# Allegro board 038NC-GRIFFI-V9A_16.brd (continued)
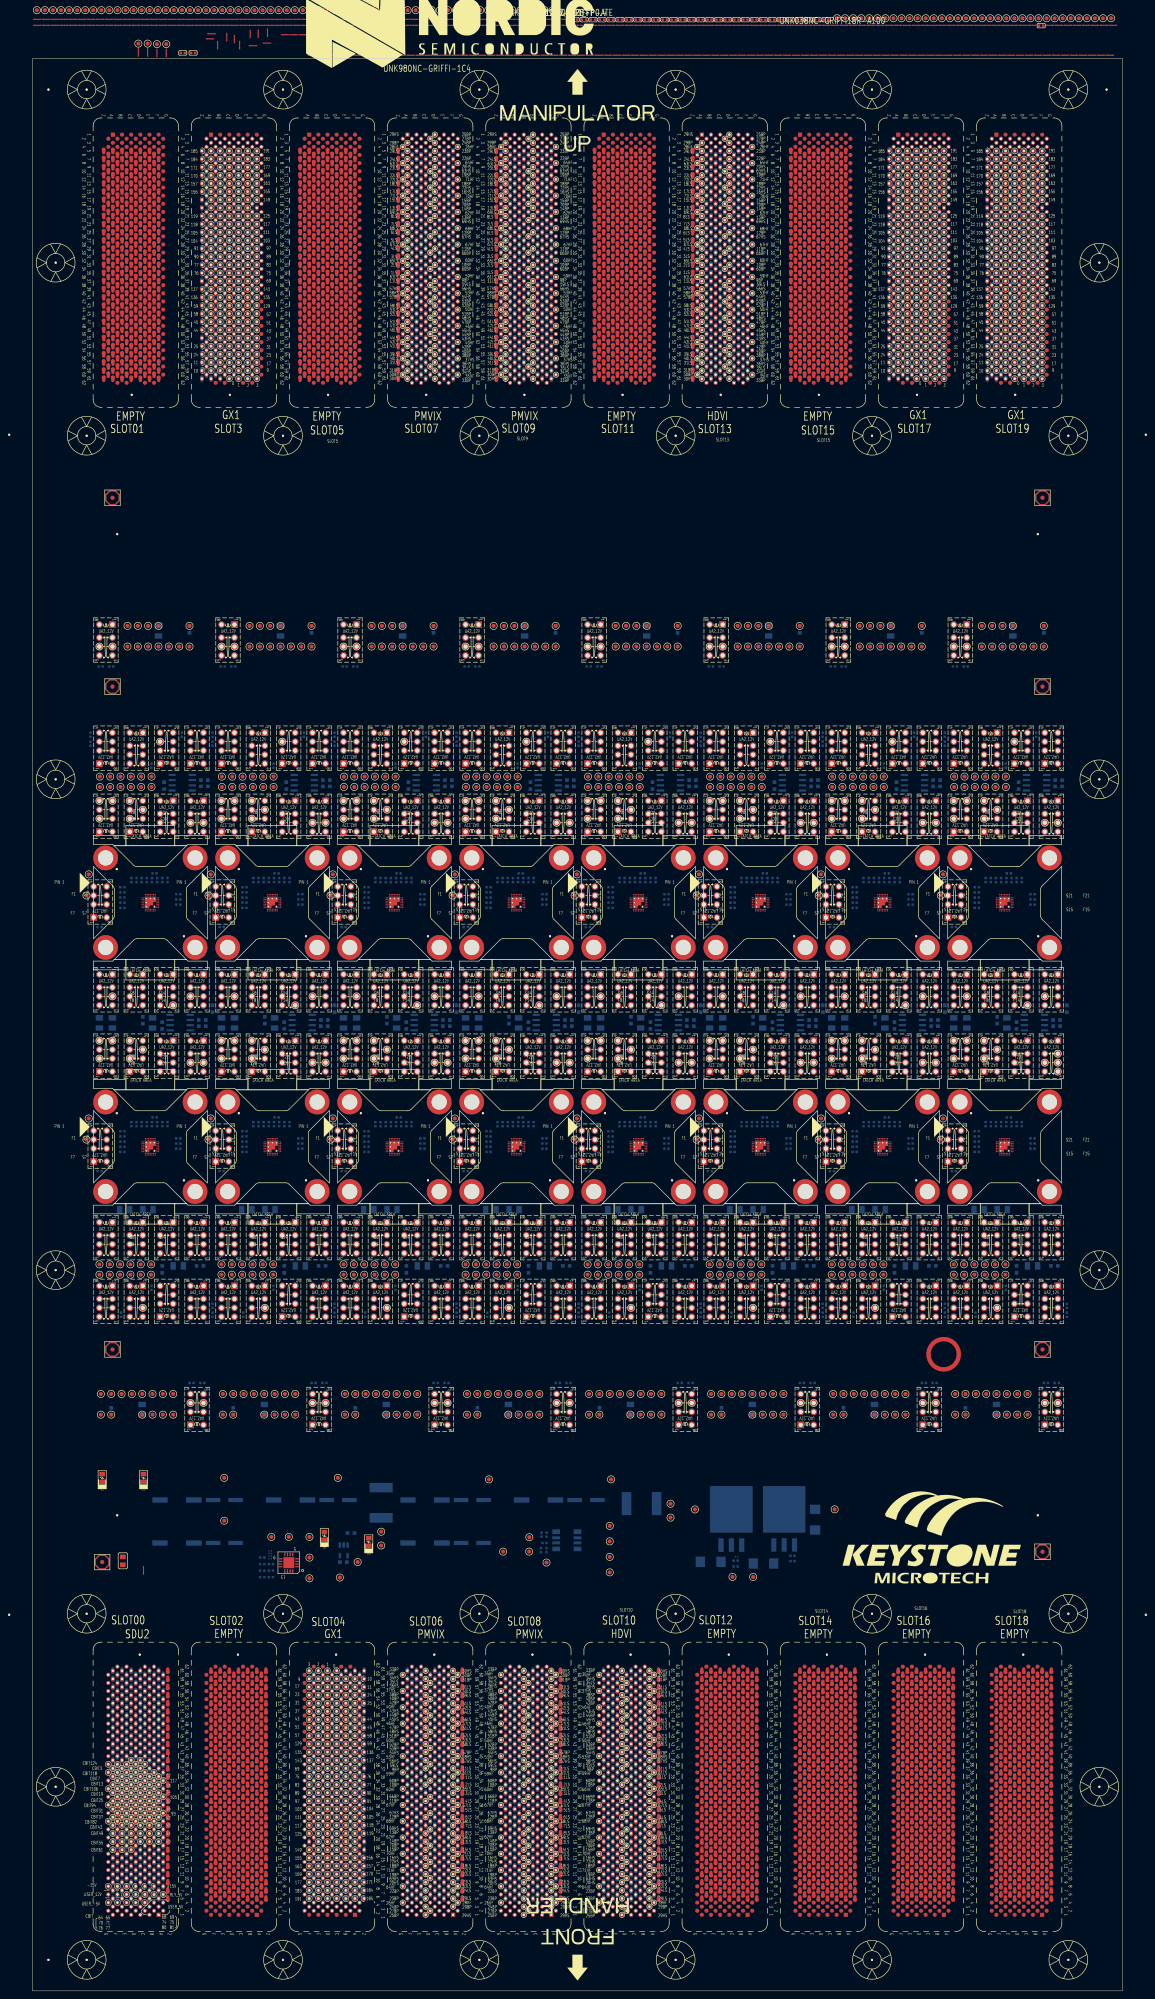
[diagram p0: board, top side]
## Placement (name value [footprint] x y rotation side) (continued)
NOREF#434  -  []  218.66 177.76 90 top
NOREF#435  -  []  72.06 185.73 90 top
NOREF#436  -  []  169.67 244.47 90 top
NOREF#437  -  []  88.65 206.87 45 top
NOREF#438  -  []  91.4 301.68 90 top
NOREF#439  -  []  85.97 179.68 90 top
NOREF#440  -  []  237.41 138.32 0 top
NOREF#441  -  []  79.67 244.47 90 top
NOREF#442  -  []  38.51 105.11 0 top
NOREF#443  -  []  94.59 244.47 90 top
NOREF#444  -  []  213.61 203.06 0 top
NOREF#445  -  []  93.41 189.73 0 top
NOREF#446  -  []  102.06 244.47 90 top
NOREF#447  -  []  239.32 268.11 315 top
NOREF#448  -  []  49.67 246.67 90 top
NOREF#449  -  []  229.67 183.53 90 top
NOREF#450  -  []  117.79 269.51 0 top
NOREF#451  -  []  136.47 304.88 90 top
NOREF#452  -  []  113.93 249.87 0 top
NOREF#453  -  []  26.39 82.65 0 top
NOREF#454  -  []  121.39 171.1 90 top
NOREF#455  -  []  162.06 185.73 90 top
NOREF#456  -  []  112.99 188.49 90 top
NOREF#457  -  []  118.35 207.84 45 top
NOREF#458  -  []  75.06 263.86 0 top
NOREF#459  -  []  53.38 225.18 90 top
NOREF#460  -  []  198.36 224.33 90 top
NOREF#461  -  []  37.46 251.52 0 top
NOREF#462  -  []  252.06 242.27 90 top
NOREF#463  -  []  226.47 249.87 0 top
NOREF#464  -  []  109.67 330.46 90 top
NOREF#465  -  []  169.67 181.33 90 top
NOREF#466  -  []  57.36 208.69 0 top
NOREF#467  -  []  52.99 226.49 0 top
NOREF#468  -  []  72.06 287.14 90 top
NOREF#469  -  []  194.98 223.99 0 top
NOREF#470  -  []  91.4 307.08 90 top
NOREF#471  -  []  27.13 244.47 90 top
NOREF#472  -  []  73.01 240.57 90 top
NOREF#473  -  []  108.36 179.68 90 top
NOREF#474  -  []  166.47 301.68 90 top
NOREF#475  -  []  117.13 183.53 90 top
NOREF#476  -  []  237.78 209.51 0 top
NOREF#477  -  []  22.53 251.52 0 top
NOREF#478  -  []  106.47 225.98 90 top
NOREF#479  -  []  106.47 225.98 0 top
NOREF#480  -  []  237.13 167.9 90 top
NOREF#481  -  []  60.19 205.47 90 top
NOREF#482  -  []  53.93 225.98 90 top
NOREF#483  -  []  243.41 234.38 0 top
NOREF#484  -  []  241.39 249.87 0 top
NOREF#485  -  []  237.13 183.53 90 top
NOREF#486  -  []  240.18 205.47 90 top
NOREF#487  -  []  33.61 203.06 0 top
NOREF#488  -  []  218.86 304.88 90 top
NOREF#489  -  []  97.24 199.24 90 top
NOREF#490  -  []  209.32 268.11 315 top
NOREF#491  -  []  218.39 253.49 45 top
NOREF#492  -  []  58.35 207.84 45 top
NOREF#493  -  []  211.01 266.29 90 top
NOREF#494  -  []  77.21 143.34 90 top
NOREF#495  -  []  121.91 17.2 90 top
NOREF#496  -  []  11.02 189.73 0 top
NOREF#497  -  []  113.93 284.94 0 top
NOREF#498  -  []  57.64 268.84 0 top
NOREF#499  -  []  50.74 275.74 0 top
NOREF#500  -  []  26.56 224.33 90 top
NOREF#501  -  []  211.39 292.54 0 top
NOREF#502  -  []  57.13 303.88 90 top
NOREF#503  -  []  178.44 389.27 90 top
NOREF#504  -  []  91.01 266.29 90 top
NOREF#505  -  []  164.56 456.29 0 top
NOREF#506  -  []  123.61 203.06 0 top
NOREF#507  -  []  109.67 170.1 90 top
NOREF#508  -  []  240.84 300.88 90 top
NOREF#509  -  []  71.82 117.35 0 top
NOREF#510  -  []  131.02 189.73 0 top
NOREF#511  -  []  64.59 287.14 90 top
NOREF#512  -  []  130.49 14.59 90 top
NOREF#513  -  []  173.93 290.34 90 top
NOREF#514  -  []  37.24 199.24 90 top
NOREF#515  -  []  199.67 183.53 90 top
NOREF#516  -  []  229.67 167.9 90 top
NOREF#517  -  []  128.86 304.88 90 top
NOREF#518  -  []  146.96 268.69 0 top
NOREF#519  -  []  63.41 189.73 0 top
NOREF#520  -  []  121.39 301.68 90 top
NOREF#521  -  []  26.96 268.69 0 top
NOREF#522  -  []  42.48 225.18 0 top
NOREF#523  -  []  28.53 300.03 90 top
NOREF#524  -  []  104.99 281.49 90 top
NOREF#525  -  []  28.65 206.87 45 top
NOREF#526  -  []  208.35 267.84 45 top
NOREF#527  -  []  207.13 167.9 90 top
NOREF#528  -  []  15.06 203.86 0 top
NOREF#529  -  []  222.06 185.73 90 top
NOREF#530  -  []  105.92 300.88 90 top
NOREF#531  -  []  169.67 332.66 90 top
NOREF#532  -  []  166.47 284.94 0 top
NOREF#533  -  []  44.51 263.06 90 top
NOREF#534  -  []  127.23 199.24 90 top
NOREF#535  -  []  167.98 278.49 0 top
NOREF#536  -  []  177.13 303.88 90 top
NOREF#537  -  []  168.36 179.68 90 top
NOREF#538  -  []  154.64 389.27 90 top
NOREF#539  -  []  14.93 458.49 0 top
NOREF#540  -  []  132.06 228.18 90 top
NOREF#541  -  []  128.73 111.38 90 top
NOREF#542  -  []  153.61 203.06 0 top
NOREF#543  -  []  195.92 300.88 90 top
NOREF#544  -  []  177.17 105.04 0 top
NOREF#545  -  []  76.47 335.86 0 top
NOREF#546  -  []  68.31 300.88 90 top
NOREF#547  -  []  83.93 288.14 90 top
NOREF#548  -  []  44.51 203.06 90 top
NOREF#549  -  []  105.36 120.65 0 top
NOREF#550  -  []  14.91 16.49 0 top
NOREF#551  -  []  143.93 231.38 90 top
NOREF#552  -  []  137.98 196.49 90 top
NOREF#553  -  []  38.86 142.32 90 top
NOREF#554  -  []  87.36 268.69 0 top
NOREF#555  -  []  74.65 82.65 0 top
NOREF#556  -  []  240.33 206.14 90 top
NOREF#557  -  []  75.06 209.26 90 top
NOREF#558  -  []  31.4 301.68 0 top
NOREF#559  -  []  248.86 188.93 0 top
NOREF#560  -  []  247.23 259.24 90 top
NOREF#561  -  []  61.01 206.29 90 top
NOREF#562  -  []  40.9 224.33 90 top
NOREF#563  -  []  46.47 231.38 90 top
NOREF#564  -  []  237.13 246.67 90 top
NOREF#565  -  []  178.35 207.84 315 top
NOREF#566  -  []  19.78 396.29 0 top
NOREF#567  -  []  252.06 165.7 90 top
NOREF#568  -  []  225.92 225.18 90 top
NOREF#569  -  []  143.38 225.18 90 top
NOREF#570  -  []  90.65 236.45 90 top
NOREF#571  -  []  142.98 188.49 0 top
NOREF#572  -  []  140.43 456.29 0 top
NOREF#573  -  []  45.06 203.86 90 top
NOREF#574  -  []  64.59 284.94 90 top
NOREF#575  -  []  74.51 263.06 90 top
NOREF#576  -  []  165.06 209.26 90 top
NOREF#577  -  []  164.98 221.49 90 top
NOREF#578  -  []  100.9 239.1 90 top
NOREF#579  -  []  124.59 287.14 90 top
NOREF#580  -  []  207.13 244.47 90 top
NOREF#581  -  []  46.47 284.94 0 top
NOREF#582  -  []  150.84 164.9 90 top
NOREF#583  -  []  106.47 301.68 90 top
NOREF#584  -  []  30.65 236.45 90 top
NOREF#585  -  []  87.13 303.88 90 top
NOREF#586  -  []  76.47 307.08 90 top
NOREF#587  -  []  149.39 209.51 0 top
NOREF#588  -  []  185.02 284.14 0 top
NOREF#589  -  []  104.51 263.06 90 top
NOREF#590  -  []  78.36 179.68 90 top
NOREF#591  -  []  102.06 170.1 90 top
NOREF#592  -  []  30.19 265.86 90 top
NOREF#593  -  []  28.35 267.84 45 top
NOREF#594  -  []  187.23 199.24 90 top
NOREF#595  -  []  203.93 290.34 90 top
NOREF#596  -  []  199.67 328.26 90 top
NOREF#597  -  []  211.39 165.7 90 top
NOREF#598  -  []  93.43 179.68 90 top
NOREF#599  -  []  115.94 234.38 0 top
NOREF#600  -  []  33.43 179.68 90 top
NOREF#601  -  []  94.59 181.33 90 top
NOREF#602  -  []  238.35 207.84 315 top
NOREF#603  -  []  244.59 246.67 90 top
NOREF#604  -  []  71.02 336.66 0 top
NOREF#605  -  []  14.99 193.49 90 top
NOREF#606  -  []  132.06 284.94 90 top
NOREF#607  -  []  198.48 189.73 0 top
NOREF#608  -  []  34.6 185.73 90 top
NOREF#609  -  []  238.35 207.84 45 top
NOREF#610  -  []  250.89 283.29 90 top
NOREF#611  -  []  27.13 170.1 90 top
NOREF#612  -  []  250.89 179.68 90 top
NOREF#613  -  []  181.39 301.68 0 top
NOREF#614  -  []  53.93 225.98 0 top
NOREF#615  -  []  18.48 189.73 0 top
NOREF#616  -  []  44.99 221.49 90 top
NOREF#617  -  []  45.92 284.14 90 top
NOREF#618  -  []  87.64 268.84 0 top
NOREF#619  -  []  25.95 234.38 0 top
NOREF#620  -  []  173.93 309.28 0 top
NOREF#621  -  []  165.06 203.86 90 top
NOREF#622  -  []  17.99 218.49 0 top
NOREF#623  -  []  92.17 456.29 0 top
NOREF#624  -  []  90.34 266.14 90 top
NOREF#625  -  []  36 240.62 90 top
NOREF#626  -  []  230.48 210.77 0 top
NOREF#627  -  []  122.16 115.65 0 top
NOREF#628  -  []  177.13 242.27 90 top
NOREF#629  -  []  79.29 454.29 90 top
NOREF#630  -  []  207.13 301.68 90 top
NOREF#631  -  []  106.47 304.88 90 top
NOREF#632  -  []  183.43 164.05 90 top
NOREF#633  -  []  169.67 183.53 90 top
NOREF#634  -  []  196.47 335.86 0 top
NOREF#635  -  []  87.13 246.67 90 top
NOREF#636  -  []  82.99 248.49 90 top
NOREF#637  -  []  117.13 167.9 90 top
NOREF#638  -  []  116.29 18.69 0 top
NOREF#639  -  []  101.02 250.67 0 top
NOREF#640  -  []  113.93 284.94 90 top
NOREF#641  -  []  139.94 300.88 0 top
NOREF#642  -  []  139.67 330.46 90 top
NOREF#643  -  []  127.55 454.29 90 top
NOREF#644  -  []  61.4 307.08 90 top
NOREF#645  -  []  151.39 233.58 0 top
NOREF#646  -  []  46.47 173.3 0 top
NOREF#647  -  []  187.55 203.78 0 top
NOREF#648  -  []  124.59 181.33 90 top
NOREF#649  -  []  31.4 307.08 90 top
NOREF#650  -  []  177.63 208.84 0 top
NOREF#651  -  []  92.16 18.69 0 top
NOREF#652  -  []  190.89 237.58 90 top
NOREF#653  -  []  137.98 256.49 90 top
NOREF#654  -  []  140.74 215.74 0 top
NOREF#655  -  []  177.13 185.73 90 top
NOREF#656  -  []  136.47 288.14 90 top
NOREF#657  -  []  72.06 225.98 90 top
NOREF#658  -  []  233.93 173.3 0 top
NOREF#659  -  []  177.13 165.7 90 top
NOREF#660  -  []  196.47 304.88 90 top
NOREF#661  -  []  233.93 188.93 0 top
NOREF#662  -  []  161.4 298.06 90 top
NOREF#663  -  []  16.47 301.68 0 top
NOREF#664  -  []  233.93 225.98 0 top
NOREF#665  -  []  173.93 188.93 0 top
NOREF#666  -  []  251.4 298.06 90 top
NOREF#667  -  []  151.39 304.88 90 top
NOREF#668  -  []  61.01 206.69 90 top
NOREF#669  -  []  41.02 174.1 0 top
NOREF#670  -  []  91.4 171.1 90 top
NOREF#671  -  []  123.41 293.34 0 top
NOREF#672  -  []  235.97 179.68 90 top
NOREF#673  -  []  198.36 179.68 90 top
NOREF#674  -  []  83.38 225.18 90 top
NOREF#675  -  []  175.94 293.34 0 top
NOREF#676  -  []  125.3 456.29 0 top
NOREF#677  -  []  207.97 458.49 0 top
NOREF#678  -  []  244.59 225.98 90 top
NOREF#679  -  []  37.46 300.03 90 top
NOREF#680  -  []  134.51 263.06 90 top
NOREF#681  -  []  91.4 292.54 0 top
NOREF#682  -  []  102.06 185.73 90 top
NOREF#683  -  []  252.06 170.1 90 top
NOREF#684  -  []  30.51 105.11 90 top
NOREF#685  -  []  148.37 207.15 315 top
NOREF#686  -  []  56.96 268.69 0 top
NOREF#687  -  []  207.95 83.81 0 top
NOREF#688  -  []  42.06 181.33 90 top
NOREF#689  -  []  102.06 165.7 90 top
NOREF#690  -  []  175.8 18.69 90 top
NOREF#691  -  []  149.39 269.51 0 top
NOREF#692  -  []  49.67 165.7 90 top
NOREF#693  -  []  139.67 242.27 90 top
NOREF#694  -  []  41.4 297.17 90 top
NOREF#695  -  []  113.93 225.98 90 top
NOREF#696  -  []  132.06 181.33 90 top
NOREF#697  -  []  153.43 300.03 90 top
NOREF#698  -  []  31.01 266.29 90 top
NOREF#699  -  []  188.86 307.08 90 top
NOREF#700  -  []  19.67 170.1 90 top
NOREF#701  -  []  61.4 188.93 0 top
NOREF#702  -  []  128.86 307.08 90 top
NOREF#703  -  []  68.39 193.49 45 top
NOREF#704  -  []  138.36 179.68 90 top
NOREF#705  -  []  59.39 269.51 0 top
NOREF#706  -  []  143.93 173.3 0 top
NOREF#707  -  []  55.95 250.67 0 top
NOREF#708  -  []  132.06 230.38 90 top
NOREF#709  -  []  115.7 258.99 90 top
NOREF#710  -  []  58.12 106.87 0 top
NOREF#711  -  []  163.42 19.69 90 top
NOREF#712  -  []  115.97 240.62 90 top
NOREF#713  -  []  92.17 456.29 90 top
NOREF#714  -  []  169.67 165.7 90 top
NOREF#715  -  []  38.39 193.49 45 top
NOREF#716  -  []  130.89 283.29 90 top
NOREF#717  -  []  179.38 269.51 0 top
NOREF#718  -  []  210.33 266.14 90 top
NOREF#719  -  []  214.59 181.33 90 top
NOREF#720  -  []  136.47 249.87 0 top
NOREF#721  -  []  222.06 228.18 90 top
NOREF#722  -  []  211.01 206.29 90 top
NOREF#723  -  []  82.99 188.49 90 top
NOREF#724  -  []  169.67 328.26 90 top
NOREF#725  -  []  160.89 283.29 90 top
NOREF#726  -  []  188.86 304.88 90 top
NOREF#727  -  []  192.06 230.38 90 top
NOREF#728  -  []  88.35 267.84 315 top
NOREF#729  -  []  113.38 225.18 90 top
NOREF#730  -  []  90.18 265.86 90 top
NOREF#731  -  []  117.13 301.68 90 top
NOREF#732  -  []  52.99 188.49 90 top
NOREF#733  -  []  61.4 165.7 0 top
NOREF#734  -  []  127.53 113.67 0 top
NOREF#735  -  []  214.59 289.34 90 top
NOREF#736  -  []  212.82 456.29 0 top
NOREF#737  -  []  44.99 283.99 0 top
NOREF#738  -  []  135.92 300.88 90 top
NOREF#739  -  []  68.86 307.08 90 top
NOREF#740  -  []  76.47 290.34 90 top
NOREF#741  -  []  166.47 284.94 90 top
NOREF#742  -  []  53.93 288.14 90 top
NOREF#743  -  []  190.89 179.68 90 top
NOREF#744  -  []  207.13 306.08 90 top
NOREF#745  -  []  108.48 250.67 0 top
NOREF#746  -  []  241.01 266.29 90 top
NOREF#747  -  []  214.59 228.18 90 top
NOREF#748  -  []  130.9 237.58 90 top
NOREF#749  -  []  178.37 207.15 315 top
NOREF#750  -  []  194.3 17.15 0 top
NOREF#751  -  []  247.55 203.78 0 top
NOREF#752  -  []  118.35 267.84 315 top
NOREF#753  -  []  205.88 237.76 90 top
NOREF#754  -  []  229.67 170.1 90 top
NOREF#755  -  []  19.67 328.26 90 top
NOREF#756  -  []  236.95 456.29 0 top
NOREF#757  -  []  58.37 207.15 315 top
NOREF#758  -  []  180.18 265.86 90 top
NOREF#759  -  []  15.06 207.06 90 top
NOREF#760  -  []  123.61 263.06 0 top
NOREF#761  -  []  196.47 188.93 0 top
NOREF#762  -  []  203.38 284.14 90 top
NOREF#763  -  []  143.93 284.94 90 top
NOREF#764  -  []  102.06 228.18 90 top
NOREF#765  -  []  72.06 246.67 90 top
NOREF#766  -  []  113.93 229.18 90 top
NOREF#767  -  []  136.47 301.68 0 top
NOREF#768  -  []  192.06 244.47 90 top
NOREF#769  -  []  57.13 185.73 90 top
NOREF#770  -  []  72.06 165.7 90 top
NOREF#771  -  []  158.39 193.49 45 top
NOREF#772  -  []  173.93 231.38 90 top
NOREF#773  -  []  22.53 283.29 90 top
NOREF#774  -  []  143.93 249.87 0 top
NOREF#775  -  []  183.43 240.62 90 top
NOREF#776  -  []  240.67 176.51 90 top
NOREF#777  -  []  158.66 177.76 90 top
NOREF#778  -  []  63.43 164.05 90 top
NOREF#779  -  []  26.31 127.85 0 top
NOREF#780  -  []  20.74 215.74 0 top
NOREF#781  -  []  90.18 265.47 90 top
NOREF#782  -  []  225.06 263.86 90 top
NOREF#783  -  []  118.35 207.84 315 top
NOREF#784  -  []  55.97 240.62 90 top
NOREF#785  -  []  28.37 267.15 315 top
NOREF#786  -  []  98.86 233.58 0 top
NOREF#787  -  []  243.56 82.65 0 top
NOREF#788  -  []  166.47 231.38 90 top
NOREF#789  -  []  88.35 267.84 45 top
NOREF#790  -  []  139.67 183.53 90 top
NOREF#791  -  []  151.67 18.69 90 top
NOREF#792  -  []  155.02 284.14 0 top
NOREF#793  -  []  132.06 183.53 90 top
NOREF#794  -  []  237.63 208.84 0 top
NOREF#795  -  []  203.93 173.3 0 top
NOREF#796  -  []  166.47 225.98 0 top
NOREF#797  -  []  16.47 335.86 0 top
NOREF#798  -  []  25.39 17.15 90 top
NOREF#799  -  []  105.06 203.86 0 top
NOREF#800  -  []  140.43 396.29 0 top
NOREF#801  -  []  90.67 176.51 90 top
NOREF#802  -  []  14.99 190.99 90 top
NOREF#803  -  []  214.59 242.27 90 top
NOREF#804  -  []  210.84 164.9 90 top
NOREF#805  -  []  106.47 284.94 0 top
NOREF#806  -  []  116.96 268.69 0 top
NOREF#807  -  []  19.78 456.29 90 top
NOREF#808  -  []  16.47 284.94 90 top
NOREF#809  -  []  164.98 281.49 90 top
NOREF#810  -  []  74.99 253.49 90 top
NOREF#811  -  []  96.8 392.33 90 top
NOREF#812  -  []  79.67 328.26 90 top
NOREF#813  -  []  49.95 164.9 0 top
NOREF#814  -  []  173.56 456.29 0 top
NOREF#815  -  []  138.36 164.05 90 top
NOREF#816  -  []  98.86 301.68 90 top
NOREF#817  -  []  199.67 244.47 90 top
NOREF#818  -  []  101.4 298.06 90 top
NOREF#819  -  []  162.06 170.1 90 top
NOREF#820  -  []  134.98 221.49 90 top
NOREF#821  -  []  59.02 107.84 90 top
NOREF#822  -  []  184.59 246.67 90 top
NOREF#823  -  []  213.43 240.62 90 top
NOREF#824  -  []  26.68 239.46 0 top
NOREF#825  -  []  162.48 284.14 0 top
NOREF#826  -  []  188.86 188.93 0 top
NOREF#827  -  []  244.59 242.27 90 top
NOREF#828  -  []  29.15 164.9 0 top
NOREF#829  -  []  237.13 242.27 90 top
NOREF#830  -  []  61.16 295.41 90 top
NOREF#831  -  []  151.01 206.69 90 top
NOREF#832  -  []  168.48 250.67 0 top
NOREF#833  -  []  198.48 174.1 0 top
NOREF#834  -  []  74.99 193.49 90 top
NOREF#835  -  []  222.06 183.53 90 top
NOREF#836  -  []  72.06 289.34 90 top
NOREF#837  -  []  49.95 300.88 0 top
NOREF#838  -  []  120.93 392.33 90 top
NOREF#839  -  []  58.45 115.65 90 top
NOREF#840  -  []  153.41 234.38 0 top
NOREF#841  -  []  217.23 199.24 90 top
NOREF#842  -  []  247.23 199.24 90 top
NOREF#843  -  []  165.06 263.86 90 top
NOREF#844  -  []  188.86 139.12 0 top
NOREF#845  -  []  243.43 300.03 90 top
NOREF#846  -  []  98.78 82.65 0 top
NOREF#847  -  []  196.47 225.98 90 top
NOREF#848  -  []  72.48 225.18 0 top
NOREF#849  -  []  22.99 188.49 90 top
NOREF#850  -  []  181.39 171.1 90 top
NOREF#851  -  []  23.93 188.93 0 top
NOREF#852  -  []  13.66 262.21 90 top
NOREF#853  -  []  135.06 203.86 0 top
NOREF#854  -  []  72.06 242.27 90 top
NOREF#855  -  []  133.3 120.65 0 top
NOREF#856  -  []  27.13 303.88 90 top
NOREF#857  -  []  238.35 267.84 315 top
NOREF#858  -  []  176.96 208.69 0 top
NOREF#859  -  []  79.67 165.7 90 top
NOREF#860  -  []  46.47 249.87 0 top
NOREF#861  -  []  134.98 253.49 90 top
NOREF#862  -  []  117.13 244.47 90 top
NOREF#863  -  []  64.59 225.98 90 top
NOREF#864  -  []  81.92 389.27 90 top
NOREF#865  -  []  190.89 224.33 90 top
NOREF#866  -  []  159.69 83.81 0 top
NOREF#867  -  []  102.06 284.94 90 top
NOREF#868  -  []  88.35 207.84 315 top
NOREF#869  -  []  11.63 164.05 90 top
NOREF#870  -  []  27.64 208.84 0 top
NOREF#871  -  []  181.39 165.7 0 top
NOREF#872  -  []  188.31 300.88 90 top
NOREF#873  -  []  125.02 225.18 0 top
NOREF#874  -  []  225.06 203.86 90 top
NOREF#875  -  []  74.99 281.49 90 top
NOREF#876  -  []  247.55 263.78 0 top
NOREF#877  -  []  224.51 203.06 90 top
NOREF#878  -  []  222.06 242.27 90 top
NOREF#879  -  []  161.02 174.1 0 top
NOREF#880  -  []  90.18 205.47 90 top
NOREF#881  -  []  176.71 103.44 90 top
NOREF#882  -  []  28.35 267.84 315 top
NOREF#883  -  []  81.53 76.69 90 top
NOREF#884  -  []  202.98 248.49 0 top
NOREF#885  -  []  188.69 456.29 0 top
NOREF#886  -  []  202.88 14.59 90 top
NOREF#887  -  []  39.06 458.49 0 top
NOREF#888  -  []  196.47 229.18 90 top
NOREF#889  -  []  79.28 18.69 0 top
NOREF#890  -  []  185.02 300.88 0 top
NOREF#891  -  []  105.06 269.26 90 top
NOREF#892  -  []  85.94 189.73 0 top
NOREF#893  -  []  202.98 188.49 0 top
NOREF#894  -  []  103.41 18.69 90 top
NOREF#895  -  []  248.19 18.69 90 top
NOREF#896  -  []  136.47 225.98 0 top
NOREF#897  -  []  30.67 176.51 90 top
NOREF#898  -  []  72.06 183.53 90 top
NOREF#899  -  []  184.59 244.47 90 top
NOREF#900  -  []  79.67 181.33 90 top
NOREF#901  -  []  154.59 225.98 90 top
NOREF#902  -  []  31.01 206.69 90 top
NOREF#903  -  []  151.39 165.7 0 top
NOREF#904  -  []  53.93 249.87 0 top
NOREF#905  -  []  98.86 292.54 0 top
NOREF#906  -  []  76.47 284.94 0 top
NOREF#907  -  []  252.06 287.14 90 top
NOREF#908  -  []  90.84 300.88 90 top
NOREF#909  -  []  107.99 218.49 0 top
NOREF#910  -  []  181.39 307.08 90 top
NOREF#911  -  []  136.47 335.86 0 top
NOREF#912  -  []  119.32 268.11 315 top
NOREF#913  -  []  224.98 281.49 90 top
NOREF#914  -  []  128.86 301.68 0 top
NOREF#915  -  []  72.06 170.1 90 top
NOREF#916  -  []  136.47 290.34 90 top
NOREF#917  -  []  134.98 250.99 90 top
NOREF#918  -  []  188.86 301.68 90 top
NOREF#919  -  []  58.37 267.15 315 top
NOREF#920  -  []  34.6 287.14 90 top
NOREF#921  -  []  121.01 206.69 90 top
NOREF#922  -  []  87.79 209.51 0 top
NOREF#923  -  []  91.4 304.88 90 top
NOREF#924  -  []  151.39 188.93 0 top
NOREF#925  -  []  227.98 256.49 90 top
NOREF#926  -  []  168.36 224.33 90 top
NOREF#927  -  []  64.59 181.33 90 top
NOREF#928  -  []  149.32 208.11 315 top
NOREF#929  -  []  218.86 301.68 0 top
NOREF#930  -  []  218.86 144.52 90 top
NOREF#931  -  []  119.29 207.51 45 top
NOREF#932  -  []  135.06 263.86 0 top
NOREF#933  -  []  237.41 300.88 0 top
NOREF#934  -  []  139.94 164.9 0 top
NOREF#935  -  []  232.98 248.49 0 top
NOREF#936  -  []  173.93 225.98 90 top
NOREF#937  -  []  47.99 218.49 0 top
NOREF#938  -  []  28.35 207.84 315 top
NOREF#939  -  []  68.04 456.29 0 top
NOREF#940  -  []  91.4 249.87 0 top
NOREF#941  -  []  241.39 233.58 0 top
NOREF#942  -  []  88.37 267.15 315 top
NOREF#943  -  []  90.84 164.9 90 top
NOREF#944  -  []  102.48 225.18 0 top
NOREF#945  -  []  153.41 174.1 0 top
NOREF#946  -  []  120.26 120.65 0 top
NOREF#947  -  []  218.39 193.49 45 top
NOREF#948  -  []  70.89 283.29 90 top
NOREF#949  -  []  93.43 300.03 90 top
NOREF#950  -  []  217.36 333.84 90 top
NOREF#951  -  []  37.55 203.78 0 top
NOREF#952  -  []  26.96 208.69 0 top
NOREF#953  -  []  198.36 283.29 90 top
NOREF#954  -  []  49.67 328.26 90 top
NOREF#955  -  []  151.39 307.08 90 top
NOREF#956  -  []  137.98 218.49 0 top
NOREF#957  -  []  147.13 167.9 90 top
NOREF#958  -  []  74.99 223.99 0 top
NOREF#959  -  []  61.2 115.65 0 top
NOREF#960  -  []  57.64 208.84 0 top
NOREF#961  -  []  20.61 142.44 90 top
NOREF#962  -  []  169.67 167.9 90 top
NOREF#963  -  []  98.31 300.88 90 top
NOREF#964  -  []  181.39 188.93 0 top
NOREF#965  -  []  117.79 209.51 0 top
NOREF#966  -  []  226.47 173.3 0 top
NOREF#967  -  []  241.39 188.93 0 top
NOREF#968  -  []  19.67 246.67 90 top
NOREF#969  -  []  123.41 189.73 0 top
NOREF#970  -  []  177.41 300.88 0 top
NOREF#971  -  []  199.67 181.33 90 top
NOREF#972  -  []  119.41 115.65 90 top
NOREF#973  -  []  238.37 267.15 315 top
NOREF#974  -  []  237.13 306.08 90 top
NOREF#975  -  []  87.3 16.49 0 top
NOREF#976  -  []  171.17 82.65 0 top
NOREF#977  -  []  87.36 208.69 0 top
NOREF#978  -  []  117.64 268.84 0 top
NOREF#979  -  []  138.48 310.08 0 top
NOREF#980  -  []  207.78 209.51 0 top
NOREF#981  -  []  19.67 332.66 90 top
NOREF#982  -  []  205.97 164.05 90 top
NOREF#983  -  []  181.39 168.9 90 top
NOREF#984  -  []  75.06 203.86 90 top
NOREF#985  -  []  175.94 189.73 0 top
NOREF#986  -  []  121.39 165.7 0 top
NOREF#987  -  []  232.1 458.49 0 top
NOREF#988  -  []  94.59 185.73 90 top
NOREF#989  -  []  240.33 266.14 90 top
NOREF#990  -  []  136.47 173.3 0 top
NOREF#991  -  []  160.9 237.58 90 top
NOREF#992  -  []  153.43 164.05 90 top
NOREF#993  -  []  76.47 301.68 90 top
NOREF#994  -  []  214.59 230.38 90 top
NOREF#995  -  []  137.98 278.49 0 top
NOREF#996  -  []  83.93 225.98 90 top
NOREF#997  -  []  46.47 301.68 90 top
NOREF#998  -  []  132.78 117.35 0 top
NOREF#999  -  []  253.01 240.57 90 top
NOREF#1000  -  []  16.15 127.85 0 top
NOREF#1001  -  []  194.51 203.06 90 top
NOREF#1002  -  []  180.84 164.9 90 top
NOREF#1003  -  []  198.36 164.05 90 top
NOREF#1004  -  []  98.31 138.32 90 top
NOREF#1005  -  []  57.13 306.08 90 top
NOREF#1006  -  []  207.63 208.84 0 top
NOREF#1007  -  []  132.06 167.9 90 top
NOREF#1008  -  []  68.86 173.3 0 top
NOREF#1009  -  []  225.06 207.06 90 top
NOREF#1010  -  []  82.99 248.49 0 top
NOREF#1011  -  []  94.59 287.14 90 top
NOREF#1012  -  []  157.23 259.24 90 top
NOREF#1013  -  []  124.59 225.98 90 top
NOREF#1014  -  []  212.82 456.29 90 top
NOREF#1015  -  []  148.35 207.84 315 top
NOREF#1016  -  []  142.98 248.49 0 top
NOREF#1017  -  []  202.98 248.49 90 top
NOREF#1018  -  []  135.06 267.06 90 top
NOREF#1019  -  []  162.06 165.7 90 top
NOREF#1020  -  []  207.13 183.53 90 top
NOREF#1021  -  []  192.06 167.9 90 top
NOREF#1022  -  []  213.43 179.68 90 top
NOREF#1023  -  []  30 300.03 90 top
NOREF#1024  -  []  164.56 456.29 90 top
NOREF#1025  -  []  53.38 284.14 90 top
NOREF#1026  -  []  24.41 392.33 90 top
NOREF#1027  -  []  121.39 233.58 0 top
NOREF#1028  -  []  94.22 105.11 0 top
NOREF#1029  -  []  27.13 242.27 90 top
NOREF#1030  -  []  225.06 203.86 0 top
NOREF#1031  -  []  60.84 164.9 90 top
NOREF#1032  -  []  94.59 246.67 90 top
NOREF#1033  -  []  48.48 189.73 0 top
NOREF#1034  -  []  31.01 266.69 90 top
NOREF#1035  -  []  68.04 456.29 90 top
NOREF#1036  -  []  226.47 290.34 90 top
NOREF#1037  -  []  184.59 242.27 90 top
NOREF#1038  -  []  57.13 170.1 90 top
NOREF#1039  -  []  221.4 298.06 90 top
NOREF#1040  -  []  147.41 300.88 0 top
NOREF#1041  -  []  153.43 179.68 90 top
NOREF#1042  -  []  78.48 250.67 0 top
NOREF#1043  -  []  78.36 240.62 90 top
NOREF#1044  -  []  46.47 284.94 90 top
NOREF#1045  -  []  123.41 174.1 0 top
NOREF#1046  -  []  101.02 189.73 0 top
NOREF#1047  -  []  57.79 209.51 0 top
NOREF#1048  -  []  128.86 233.58 0 top
NOREF#1049  -  []  151.39 292.54 0 top
NOREF#1050  -  []  207.36 208.69 0 top
NOREF#1051  -  []  26.56 179.68 90 top
NOREF#1052  -  []  109.67 167.9 90 top
NOREF#1053  -  []  67.55 203.78 0 top
NOREF#1054  -  []  202.98 226.49 0 top
NOREF#1055  -  []  184.59 228.18 90 top
NOREF#1056  -  []  211.39 301.68 90 top
NOREF#1057  -  []  121.39 304.88 90 top
NOREF#1058  -  []  229.94 164.9 0 top
NOREF#1059  -  []  199.67 246.67 90 top
NOREF#1060  -  []  210.18 265.47 90 top
NOREF#1061  -  []  57.41 138.32 0 top
NOREF#1062  -  []  80.48 270.77 0 top
NOREF#1063  -  []  167.98 256.49 90 top
NOREF#1064  -  []  195.92 284.14 90 top
NOREF#1065  -  []  27.79 269.51 0 top
NOREF#1066  -  []  180.18 265.47 90 top
NOREF#1067  -  []  243.41 174.1 0 top
NOREF#1068  -  []  210.18 205.47 90 top
NOREF#1069  -  []  139.67 246.67 90 top
NOREF#1070  -  []  50.52 82.65 0 top
NOREF#1071  -  []  177.13 246.67 90 top
NOREF#1072  -  []  28.37 207.15 315 top
NOREF#1073  -  []  97.24 259.24 90 top
NOREF#1074  -  []  211.39 171.1 90 top
NOREF#1075  -  []  63.43 179.68 90 top
NOREF#1076  -  []  127.41 115.65 0 top
NOREF#1077  -  []  179.38 209.51 0 top
NOREF#1078  -  []  76.47 225.98 0 top
NOREF#1079  -  []  106.47 335.86 0 top
NOREF#1080  -  []  111.45 458.49 0 top
NOREF#1081  -  []  222.06 170.1 90 top
NOREF#1082  -  []  74.99 221.49 90 top
NOREF#1083  -  []  235.94 293.34 0 top
NOREF#1084  -  []  99.47 105.11 0 top
NOREF#1085  -  []  199.67 332.66 90 top
NOREF#1086  -  []  47.21 143.34 90 top
NOREF#1087  -  []  121.01 266.69 90 top
NOREF#1088  -  []  181.01 266.29 90 top
NOREF#1089  -  []  237.13 244.47 90 top
NOREF#1090  -  []  95.02 284.14 0 top
NOREF#1091  -  []  14.99 221.49 90 top
NOREF#1092  -  []  180.18 205.47 90 top
NOREF#1093  -  []  31.4 304.88 90 top
NOREF#1094  -  []  15.06 203.86 90 top
NOREF#1095  -  []  154.59 287.14 90 top
NOREF#1096  -  []  123.43 179.68 90 top
NOREF#1097  -  []  27.13 181.33 90 top
NOREF#1098  -  []  27.64 268.84 0 top
NOREF#1099  -  []  150.18 265.47 90 top
NOREF#1100  -  []  192.06 228.18 90 top
NOREF#1101  -  []  165.06 263.86 0 top
NOREF#1102  -  []  165.06 203.86 0 top
NOREF#1103  -  []  210.65 236.45 90 top
NOREF#1104  -  []  127.23 259.24 90 top
NOREF#1105  -  []  248.86 249.87 0 top
NOREF#1106  -  []  63.41 174.1 0 top
NOREF#1107  -  []  118.65 266.87 45 top
NOREF#1108  -  []  38.86 144.52 90 top
NOREF#1109  -  []  144.63 116.76 0 top
NOREF#1110  -  []  27.13 306.08 90 top
NOREF#1111  -  []  217.55 263.78 0 top
NOREF#1112  -  []  20.74 275.74 0 top
NOREF#1113  -  []  116.3 456.29 90 top
NOREF#1114  -  []  87.32 457.2 0 top
NOREF#1115  -  []  38.86 233.58 0 top
NOREF#1116  -  []  92.32 110.11 0 top
NOREF#1117  -  []  178.37 267.15 315 top
NOREF#1118  -  []  155.02 225.18 0 top
NOREF#1119  -  []  37.46 300.03 0 top
NOREF#1120  -  []  240.18 205.86 90 top
NOREF#1121  -  []  59.02 107.19 90 top
NOREF#1122  -  []  98.86 304.88 90 top
NOREF#1123  -  []  162.66 107.36 0 top
NOREF#1124  -  []  113.93 173.3 0 top
NOREF#1125  -  []  208.37 207.15 315 top
NOREF#1126  -  []  30.51 115.65 90 top
NOREF#1127  -  []  31.4 165.7 90 top
NOREF#1128  -  []  87.64 208.84 0 top
NOREF#1129  -  []  206.96 268.69 0 top
NOREF#1130  -  []  50.74 215.74 0 top
NOREF#1131  -  []  132.06 170.1 90 top
NOREF#1132  -  []  143.38 284.14 90 top
NOREF#1133  -  []  208.37 267.15 315 top
NOREF#1134  -  []  115.97 179.68 90 top
NOREF#1135  -  []  229.67 165.7 90 top
NOREF#1136  -  []  120.67 176.51 90 top
NOREF#1137  -  []  229.67 332.66 90 top
NOREF#1138  -  []  157.23 199.24 90 top
NOREF#1139  -  []  93.41 250.67 0 top
NOREF#1140  -  []  118.37 207.15 315 top
NOREF#1141  -  []  228.48 189.73 0 top
NOREF#1142  -  []  194.51 263.06 90 top
NOREF#1143  -  []  205.7 258.99 90 top
NOREF#1144  -  []  20.49 210.77 0 top
NOREF#1145  -  []  47.99 256.49 90 top
NOREF#1146  -  []  162.06 228.18 90 top
NOREF#1147  -  []  91.01 206.29 90 top
NOREF#1148  -  []  85.7 258.99 90 top
NOREF#1149  -  []  188.86 292.54 0 top
NOREF#1150  -  []  127.54 18.69 90 top
NOREF#1151  -  []  60.19 205.86 90 top
NOREF#1152  -  []  68.66 177.76 90 top
NOREF#1153  -  []  38.86 188.93 0 top
NOREF#1154  -  []  213.41 174.1 0 top
NOREF#1155  -  []  183.41 189.73 0 top
NOREF#1156  -  []  221.4 296.54 90 top
NOREF#1157  -  []  134.98 281.49 90 top
NOREF#1158  -  []  243.43 164.05 90 top
NOREF#1159  -  []  252.06 228.18 90 top
NOREF#1160  -  []  135.06 269.26 90 top
NOREF#1161  -  []  166.47 249.87 0 top
NOREF#1162  -  []  128.86 249.87 0 top
NOREF#1163  -  []  227.03 389.27 90 top
NOREF#1164  -  []  160.89 240.62 90 top
NOREF#1165  -  []  83.93 229.18 90 top
NOREF#1166  -  []  58.65 206.87 45 top
NOREF#1167  -  []  149.32 268.11 315 top
NOREF#1168  -  []  63.18 16.49 0 top
NOREF#1169  -  []  157.36 333.84 90 top
NOREF#1170  -  []  252.06 181.33 90 top
NOREF#1171  -  []  164.98 223.99 0 top
NOREF#1172  -  []  147.79 269.51 0 top
NOREF#1173  -  []  224.98 283.99 0 top
NOREF#1174  -  []  224.98 221.49 90 top
NOREF#1175  -  []  44.4 110.11 0 top
NOREF#1176  -  []  61.4 292.54 0 top
NOREF#1177  -  []  132.06 244.47 90 top
NOREF#1178  -  []  33.97 14.59 90 top
NOREF#1179  -  []  188.86 144.52 90 top
NOREF#1180  -  []  179.29 267.51 45 top
NOREF#1181  -  []  132.06 165.7 90 top
NOREF#1182  -  []  190.89 283.29 90 top
NOREF#1183  -  []  109.67 328.26 90 top
NOREF#1184  -  []  30.34 206.14 90 top
NOREF#1185  -  []  105.36 110.11 0 top
NOREF#1186  -  []  64.59 228.18 90 top
NOREF#1187  -  []  147.13 181.33 90 top
NOREF#1188  -  []  233.93 231.38 90 top
NOREF#1189  -  []  112.99 248.49 0 top
NOREF#1190  -  []  135.06 209.26 90 top
NOREF#1191  -  []  45.06 263.86 90 top
NOREF#1192  -  []  252.06 246.67 90 top
NOREF#1193  -  []  164.98 253.49 90 top
NOREF#1194  -  []  30.19 205.47 90 top
NOREF#1195  -  []  108.48 310.08 0 top
NOREF#1196  -  []  166.47 307.08 90 top
NOREF#1197  -  []  45.06 209.26 90 top
NOREF#1198  -  []  45.06 203.86 0 top
NOREF#1199  -  []  167.21 143.34 90 top
NOREF#1200  -  []  128.73 112.84 0 top
NOREF#1201  -  []  176.96 268.69 0 top
NOREF#1202  -  []  241.39 168.9 90 top
NOREF#1203  -  []  195.06 263.86 90 top
NOREF#1204  -  []  145.94 234.38 0 top
NOREF#1205  -  []  119.39 209.51 0 top
NOREF#1206  -  []  85.94 250.67 0 top
NOREF#1207  -  []  23.93 173.3 0 top
NOREF#1208  -  []  250.89 224.33 90 top
NOREF#1209  -  []  119.32 208.11 315 top
NOREF#1210  -  []  102.06 167.9 90 top
NOREF#1211  -  []  192.06 165.7 90 top
NOREF#1212  -  []  43.88 117.35 0 top
